# Altium PCB VM3300_V0.5_潘工改.PcbDoc (part 2 of 2)
Units mil, origin at the board's own origin, x right, y up, seen from the top; angles counter-clockwise.
Board outline 5128.14 x 5521.84 mil, 2 copper layers (Top Layer, Bottom Layer), stack 61.855 mil thick; 145 components, 95 nets, 448 pads, 243 vias.
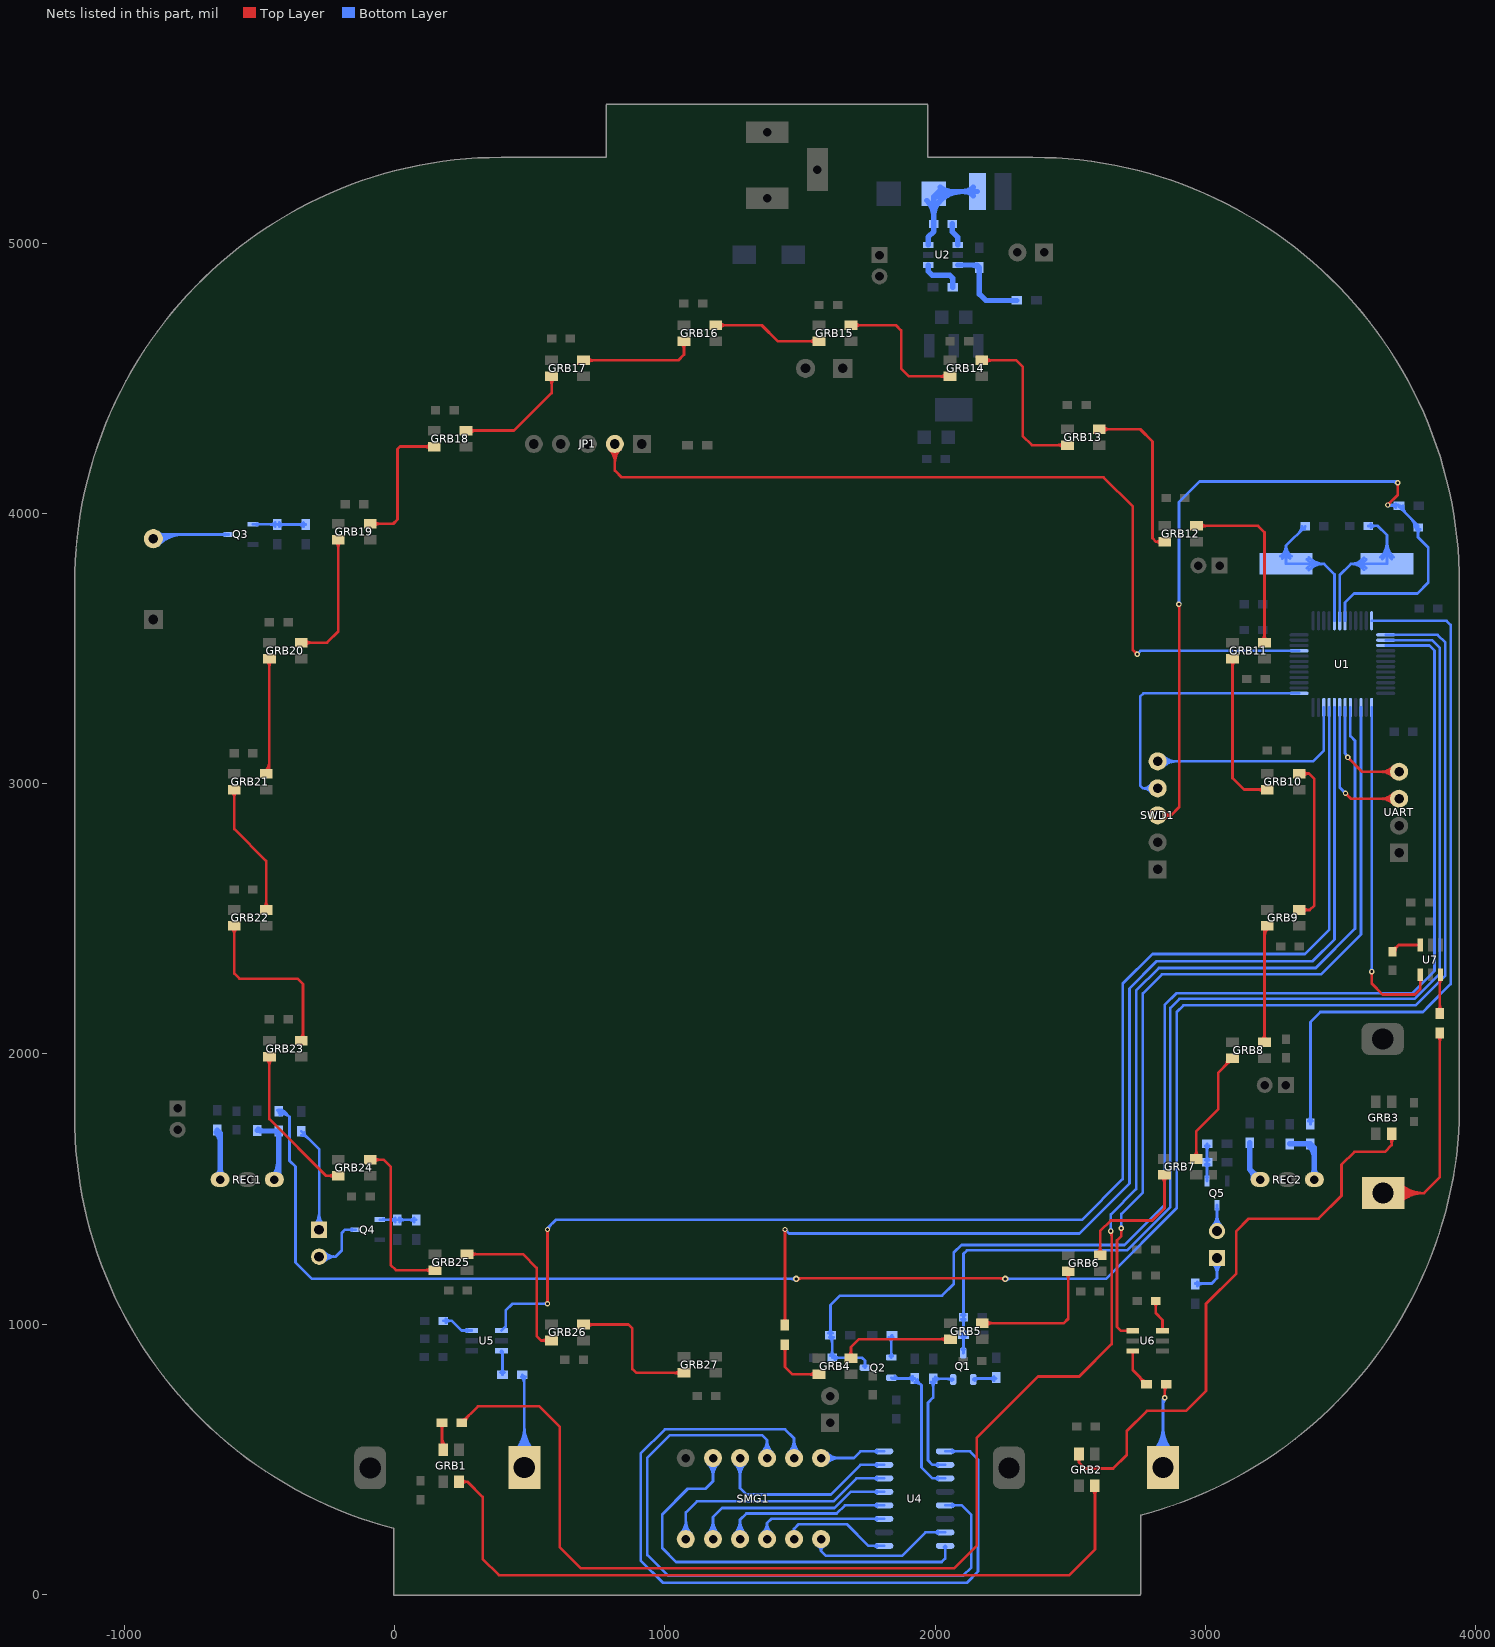
[diagram p2: the nets of this part, all layers, seen from the top]

## Via types
v1: diameter 24, hole 12, Top Layer to Bottom Layer, 169 vias
v2: diameter 20, hole 10, Top Layer to Bottom Layer, 41 vias
v3: diameter 24, hole 12, Top Layer to Bottom Layer, tented both sides, 33 vias

## Nets (pads, with @x,y where several pads share a name; then routed paths per layer and width w, separated by ;. In a path a pad name is that pad's centre, name@x,y a point inside that pad or via, vN(x,y) a via of type N, cw(c..) or ccw(c..) an arc to the next point about the centre after c; other vN are vias at no path point) (continued)
GRID2: SMG1.9 U4.5 | length 2656.4
  Bottom Layer w10: SMG1.9@1358.18,524.13 ccw(c1313.23,570.69) 1377.95,570.69 ; SMG1.9@1365.13,516.93 ccw(c1335.97,547.14) 1377.95,547.14 ccw(c1419.94,547.14) SMG1.9@1390.78,516.93 ; SMG1.9@1377.95,503.65 1377.95,570.69 ; SMG1.9@1397.72,524.13 cw(c1442.68,570.69) 1377.95,570.69 ; U4.5@2037.53,328.65 2099.44,328.65 2134.44,293.65 2134.44,98.65 2104.44,68.65 1011.35,68.65 935,145 935,505.34 1018.31,588.65 1360,588.65 1377.95,570.69 ; U4.5@2065.11,324.39 cw(c2075.4,314.11) 2075.4,328.65 cw(c2075.4,343.19) U4.5@2065.11,332.91
GRID3: SMG1.8 U4.1 | length 3138.4
  Bottom Layer w10: SMG1.8@1457.83,523.78 ccw(c1409.23,572.37) 1477.95,572.37 ccw(c1546.67,572.37) SMG1.8@1498.08,523.78 ; SMG1.8@1464.9,516.7 ccw(c1433.38,548.22) 1477.95,548.22 ccw(c1522.53,548.22) SMG1.8@1491.01,516.7 ; SMG1.8@1477.95,503.65 1477.95,577.05 1445,610 1000,610 910,520 910,125 992.92,42.08 2117.87,42.08 2159.44,83.65 2159.44,498.65 2129.44,528.65 U4.1@2037.53,528.65 ; U4.1@2065.11,524.39 cw(c2075.4,514.11) 2075.4,528.65 cw(c2075.4,543.19) U4.1@2065.11,532.91
GRID4: SMG1.6 U4.7 | length 614.1
  Bottom Layer w10: SMG1.6@1566.48,177.6 cw(c1558.72,160) 1577.95,160 ; SMG1.6@1577.95,203.65 1577.95,160 ; SMG1.6@1589.43,177.6 ccw(c1597.18,160) 1577.95,160 ; U4.7@2009.94,224.39 ccw(c1999.66,214.11) 1999.66,228.65 ccw(c1999.66,243.19) U4.7@2009.94,232.91 ; U4.7@2037.53,228.65 1964.44,228.65 1877.53,141.74 1596.21,141.74 1577.95,160
IR1: R15.2 U1.13 | length 7458.2
  Top Layer w10: v3(1485.88,1167.2) 1488.67,1170 2257.2,1170 v3(2260,1167.2) ; v3@1490.83,1162.26 cw(c1509.53,1143.56) 1509.53,1170 ; 2236.35,1170 cw(c2236.35,1143.56) v3@2255.05,1162.26
  Bottom Layer w10: R15.2@-434.41,1792.02 cw(c-425.66,1772.48) -410.53,1787.62 ; R15.2@-430.33,1782.89 cw(c-419.31,1758.31) -400.26,1777.35 ; R15.2@-429.45,1789 R15.2@-430.63,1787.82 -410.73,1787.82 ; R15.2@-426.24,1773.76 cw(c-412.96,1744.13) -390,1767.09 ; R15.2@-421.64,1781.93 cw(c-410.74,1774.78) -410.74,1787.82 ; R15.2@-421.64,1793.72 ccw(c-410.74,1800.87) -410.74,1787.82 ; v3@1480.93,1162.26 ccw(c1468.98,1150.31) 1468.98,1167.2 ccw(c1468.98,1184.1) v3@1480.93,1172.15 ; v3(1485.88,1167.2) -307.01,1167.2 -368.16,1228.36 -368.16,1582.83 -390,1604.67 -390,1767.09 ; v3(2260,1167.2) 2632.85,1167.2 2895,1429.36 2895,2155.62 2919.38,2180 3779.07,2180 3889.44,2290.36 3889.44,3488.65 3889.44,3523.65 3861.17,3551.92 U1.13@3668.78,3551.92 ; v3@2264.95,1162.26 cw(c2276.9,1150.31) 2276.9,1167.2 cw(c2276.9,1184.1) v3@2264.95,1172.15 ; -410.73,1787.82 -390,1767.09
IR2: R16.2 U1.12 | length 2625.8
  Bottom Layer w10: R16.2@3382.4,1752 ccw(c3364.05,1770.35) 3390,1770.35 ccw(c3415.95,1770.35) R16.2@3397.6,1752 ; R16.2@3390,1740.15 3390,2118.65 3426.97,2155.62 3806.41,2155.62 3831.94,2181.15 3909.44,2258.65 3909.44,3588.65 3894.44,3603.65 3617.05,3603.65 U1.12@3616.7,3604
NetB1_2: B1.2 Q3.3 | length 602.6
  Bottom Layer w10: B1.2@-894.24,3907.83 -878.42,3923.65 Q3.3@-614.85,3923.65 ; B1.2@-893.94,3907.52 cw(c-855.01,3868.59) -855.01,3923.65 ; B1.2@-886.87,3900.45 cw(c-830.86,3844.45) -830.86,3923.65 ; B1.2@-879.79,3893.38 cw(c-806.72,3820.31) -806.72,3923.65 ; B1.2@-872.72,3886.31 cw(c-782.58,3796.16) -782.58,3923.65 ; B1.2@-872.72,3929.35 ccw(c-858.96,3943.11) -858.96,3923.65 ; Q3.3@-628.41,3920.92 ccw(c-635,3914.33) -635,3923.65 ccw(c-635,3932.96) Q3.3@-628.41,3926.38
NetC4_1: C4.1 U2.1 | length 85.9
  Bottom Layer w20: C4.1@2064.44,5073.65 2064.44,5043.77 2084.56,5023.65 U2.1@2084.56,4996.04
NetC4_2: C4.2 D3.2 L1.1 U2.6 | length 758.2
  Bottom Layer w20: D3.2@1969.91,5160.06 cw(c1908.27,5098.42) 1995.44,5098.42 ; U2.6@1974.31,4996.04 1974.31,5025 1995.44,5046.12 C4.2@1995.44,5073.65 1995.44,5174.65 2014.44,5193.65 L1.1@2157.19,5193.65 ; 1995.44,5101.25 cw(c2078.6,5101.25) 2019.79,5160.06 cw(c2100.89,5078.96) 2100.89,5193.65 ; D3.2@2005.65,5174.2 cw(c2052.61,5127.24) 2052.61,5193.65 ; D3.2@2019.79,5209.94 ccw(c2059.14,5249.29) 2059.14,5193.65 ; L1.1@2141.99,5178.45 ccw(c2105.3,5141.75) 2105.3,5193.65 ccw(c2105.3,5245.54) L1.1@2141.99,5208.85
NetC45_1: C45.1 U5.6 | length 176.8
  Bottom Layer w10: C45.1@179.23,1011.96 210.71,1011.96 246.62,976.05 U5.6@284.88,976.05 ; C45.1@188.8,1004.89 cw(c205.87,987.82) 205.87,1011.96 cw(c205.87,1036.1) C45.1@188.8,1019.03 ; U5.6@267.68,972.62 ccw(c259.41,964.36) 259.41,976.05 ccw(c259.41,987.74) U5.6@267.68,979.47
NetC46_1: C46.1 U6.6 | length 177.6
  Top Layer w10: C46.1@2810.36,1078.59 cw(c2793.29,1061.52) 2817.43,1061.52 cw(c2841.58,1061.52) C46.1@2824.5,1078.59 ; C46.1@2817.43,1085.66 2817.43,1040.34 2842.55,1015.22 U6.6@2842.55,974.74 ; U6.6@2839.13,978.17 ccw(c2830.86,986.44) 2842.55,986.44 ccw(c2854.24,986.44) U6.6@2845.98,978.17
NetC47_1: C47.1 U7.6 | length 170.9
  Top Layer w10: C47.1@3694.44,2378.65 3694.44,2381.36 3716.84,2403.77 U7.6@3797.03,2403.77 ; C47.1@3694.44,2391.15 ccw(c3694.44,2414.77) 3711.14,2398.07 ; C47.1@3704.44,2381.15 cw(c3729.1,2381.15) 3711.66,2398.59 ; U7.6@3793.61,2400.34 ccw(c3785.34,2392.07) 3785.34,2403.77 ccw(c3785.34,2415.46) U7.6@3793.61,2407.19
NetD1_1: D1.1 R13.2 | length 584
  Bottom Layer w10: R13.2@-346.51,1698.5 cw(c-346.51,1662.29) -320.9,1687.89 ; R13.2@-346.51,1713.5 -280.56,1647.56 D1.1@-280.56,1349.22 ; R13.2@-335.76,1709.25 ccw(c-320.08,1709.25) R13.2@-331.17,1698.16 ; D1.1@-298.24,1366.9 ccw(c-340.92,1409.58) -280.56,1409.58 ccw(c-220.21,1409.58) D1.1@-262.89,1366.9 ; D1.1@-291.17,1359.83 ccw(c-316.78,1385.44) -280.56,1385.44 ccw(c-244.35,1385.44) D1.1@-269.96,1359.83
NetD1_2: D1.2 Q4.3 | length 381.8
  Bottom Layer w10: D1.2@-280.56,1249.22 -219.61,1249.22 -196.71,1272.13 -196.71,1337.52 -185,1349.22 Q4.3@-144.85,1349.22 ; D1.2@-269.96,1238.62 cw(c-244.35,1213.01) -244.35,1249.22 cw(c-244.35,1285.44) D1.2@-269.96,1259.83 ; D1.2@-262.89,1231.55 cw(c-220.21,1188.87) -220.21,1249.22 cw(c-220.21,1309.58) D1.2@-262.89,1266.9 ; Q4.3@-158.41,1346.49 ccw(c-165,1339.91) -165,1349.22 ccw(c-165,1358.54) Q4.3@-158.41,1351.95
NetD2_1: D2.1 R14.2 | length 355.9
  Bottom Layer w10: R14.2@2963.52,1150.15 3024.65,1150.15 3044.44,1169.93 D2.1@3044.44,1244.22 ; R14.2@2971.12,1140.56 cw(c2994.26,1117.41) 2994.26,1150.15 ; R14.2@2971.12,1155.76 ccw(c2984.67,1169.31) 2984.67,1150.15 ; D2.1@3026.76,1226.55 cw(c2984.08,1183.87) 3044.44,1183.87 cw(c3104.79,1183.87) D2.1@3062.11,1226.55 ; D2.1@3033.83,1233.62 cw(c3008.22,1208.01) 3044.44,1208.01 cw(c3080.65,1208.01) D2.1@3055.04,1233.62
NetD2_2: D2.2 Q5.3 | length 262.6
  Bottom Layer w10: D2.2@3026.76,1361.9 ccw(c2984.08,1404.58) 3044.44,1404.58 ccw(c3104.79,1404.58) D2.2@3062.11,1361.9 ; D2.2@3033.83,1354.83 ccw(c3008.22,1380.44) 3044.44,1380.44 ccw(c3080.65,1380.44) D2.2@3055.04,1354.83 ; Q5.3@3041.71,1426.95 cw(c3035.12,1420.36) 3044.44,1420.36 cw(c3053.75,1420.36) Q5.3@3047.16,1426.95 ; D2.2@3044.44,1344.22 Q5.3@3044.44,1440.5
NetGRB1_4: GRB1.4 R28.1 | length 191.6
  Top Layer w10: R28.1@166.9,627.4 cw(c148.55,609.05) 174.5,609.05 cw(c200.45,609.05) R28.1@182.1,627.4 ; GRB1.4@169.5,548.95 ccw(c157.41,561.03) 174.5,561.03 ; 174.5,580.29 ccw(c218.81,580.29) GRB1.4@187.48,548.95 ; R28.1@174.5,635 174.5,538.04 GRB1.4@178.49,534.06
NetGRB4_4: GRB4.4 R29.1 | length 308.8
  Top Layer w10: R29.1@1436.84,911.65 cw(c1418.49,893.3) 1444.44,893.3 cw(c1470.38,893.3) R29.1@1452.04,911.65 ; R29.1@1444.44,923.5 1444.44,841.34 1472.03,813.75 GRB4.4@1570.7,813.75 ; GRB4.4@1555.8,804.75 ccw(c1534.09,783.05) 1534.09,813.75 ccw(c1534.09,844.45) GRB4.4@1555.8,822.74
NetQ1_1: Q1.1 R5.1 | length 149.5
  Bottom Layer w10: Q1.1@2141.84,794.59 2145.62,798.38 R5.1@2225.91,798.38 ; Q1.1@2146.65,789.78 cw(c2167.42,769.01) 2167.42,798.38 ; 2198.81,798.38 cw(c2198.81,770.8) R5.1@2218.31,790.3 ; 2201.11,798.38 ccw(c2201.11,822.69) R5.1@2218.31,805.5
NetQ2_1: Q2.1 R6.1 | length 150.2
  Bottom Layer w10: R6.1@1829.08,951.05 cw(c1806.37,928.34) 1838.49,928.34 ; Q2.1@1833.68,880.87 ccw(c1822.05,892.49) 1838.49,892.49 ccw(c1854.94,892.49) Q2.1@1843.31,880.87 ; Q2.1@1838.49,876.05 1838.49,956.2 R6.1@1840.94,958.65 ; 1838.49,937.06 cw(c1858.27,937.06) R6.1@1844.28,951.05
NetQ3_1: Q3.1 R19.2 R22.2 | length 332.3
  Bottom Layer w10: Q3.1@-525.56,3961.05 -436.46,3961.05 R22.2@-435.56,3960.15 R19.2@-330.56,3960.15 ; Q3.1@-512.01,3958.32 cw(c-505.42,3951.73) -505.42,3961.05 cw(c-505.42,3970.36) Q3.1@-512.01,3963.78 ; -463.69,3961.05 cw(c-463.69,3932.02) R22.2@-443.16,3952.55 ; -459.33,3961.05 ccw(c-459.33,3983.92) R22.2@-443.16,3967.75 ; R22.2@-427.96,3952.55 cw(c-409.62,3934.2) -409.62,3960.15 cw(c-409.62,3986.1) R22.2@-427.96,3967.75 ; R19.2@-338.16,3952.55 ccw(c-356.51,3934.2) -356.51,3960.15 ccw(c-356.51,3986.1) R19.2@-338.16,3967.75
NetQ4_1: Q4.1 R20.2 R23.2 | length 267.4
  Bottom Layer w10: Q4.1@-55.56,1386.62 -54.66,1385.72 R23.2@9.44,1385.72 R20.2@79.44,1385.72 ; Q4.1@-42.01,1389.35 ccw(c-33.25,1398.12) -33.25,1385.72 ; R23.2@1.84,1378.12 ccw(c-16.51,1359.77) -16.51,1385.72 ccw(c-16.51,1411.67) R23.2@1.84,1393.32 ; R23.2@17.04,1378.12 cw(c35.38,1359.77) 35.38,1385.72 cw(c35.38,1411.67) R23.2@17.04,1393.32 ; R20.2@71.84,1378.12 ccw(c53.49,1359.77) 53.49,1385.72 ccw(c53.49,1411.67) R20.2@71.84,1393.32
NetQ5_1: Q5.1 R21.2 R24.2 | length 274.3
  Bottom Layer w10: R24.2@3000.34,1591.05 cw(c2984.17,1574.88) 3007.04,1574.88 ; R24.2@3000.34,1606.25 ccw(c2984.17,1622.42) 3007.04,1622.42 ; R21.2@3000.34,1659.18 cw(c2984.17,1643.01) 3007.04,1643.01 ; Q5.1@3004.31,1543.35 ccw(c2997.72,1549.93) 3007.04,1549.93 ccw(c3016.35,1549.93) Q5.1@3009.76,1543.35 ; Q5.1@3007.04,1529.79 3007.04,1665.88 R21.2@3007.94,1666.78 ; 3007.04,1570.52 cw(c3036.06,1570.52) R24.2@3015.54,1591.05 ; 3007.04,1626.77 ccw(c3036.06,1626.77) R24.2@3015.54,1606.25 ; 3007.04,1638.65 cw(c3036.06,1638.65) R21.2@3015.54,1659.18
NetR2_1: R2.1 R4.2 U2.3 | length 354.3
  Bottom Layer w20: U2.3@2084.56,4921.25 2155.34,4921.25 R4.2@2164.44,4912.15 2164.44,4813.65 2188.07,4790.01 R2.1@2302.94,4790.01 ; 2138.86,4921.25 cw(c2138.86,4890.82) R4.2@2160.37,4912.34
NetR3_2: R3.2 U2.4 | length 158.6
  Bottom Layer w20: U2.4@1974.31,4921.25 1974.31,4898.77 1989.44,4883.65 2054.44,4883.65 2065.94,4872.15 R3.2@2065.94,4838.65
NetR11_1: R11.1 R15.1 REC1.1 | length 463.9
  Bottom Layer w10: R15.1@-438.23,1702.97 cw(c-471.23,1669.98) -424.56,1669.98 ; R15.1@-431.16,1710.04 cw(c-447.09,1694.12) -424.56,1694.12 ; R15.1@-430.63,1714.82 -424.56,1708.76 -424.56,1645
  Bottom Layer w20: R11.1@-510.13,1716.78 -500.56,1716.78 -498.61,1714.82 R15.1@-430.63,1714.82 -430.63,1550.75 REC1.1@-446.38,1535 ; R11.1@-506.06,1720.84 ccw(c-491.54,1735.36) -491.54,1714.82 ; REC1.1@-450.92,1547.42 ccw(c-499.91,1596.4) -430.63,1596.4
NetR12_1: R12.1 R16.1 REC2.1 | length 331.8
  Bottom Layer w20: R12.1@3312.87,1667.03 3312.99,1667.15 R16.1@3390,1667.15 3404.54,1652.61 REC2.1@3404.54,1535 ; R16.1@3385.94,1658.83 cw(c3341.02,1613.92) 3404.54,1613.92 ; REC2.1@3392.12,1547.42 ccw(c3362.15,1577.39) 3404.54,1577.39 ccw(c3446.93,1577.39) REC2.1@3416.95,1547.42
NetR17_1: R17.1 REC1.3 | length 295.1
  Bottom Layer w20: R17.1@-662.25,1710.18 cw(c-698.67,1673.77) -647.17,1673.77 ; REC1.3@-659.58,1547.42 ccw(c-689.56,1577.39) -647.17,1577.39 ccw(c-604.78,1577.39) REC1.3@-634.75,1547.42 ; R17.1@-658.19,1718.5 -647.17,1707.48 REC1.3@-647.17,1535
NetR18_1: R18.1 REC2.3 | length 211.3
  Bottom Layer w20: R18.1@3165,1671.08 3165,1573.75 ; REC2.3@3178.39,1536.63 ccw(c3132.19,1540.93) 3165,1573.75 ; 3179.34,1559.41 ccw(c3195.88,1575.94) REC2.3@3195.88,1552.56 ; REC2.3@3203.75,1535 3165,1573.75
NetR25_1: R25.1 T1.1 | length 889.3
  Bottom Layer w10: T1.1@441.21,526.65 ccw(c348.94,618.93) 479.44,618.93 ccw(c609.94,618.93) T1.1@517.66,526.65 ; T1.1@448.29,519.58 ccw(c373.08,594.79) 479.44,594.79 ccw(c585.8,594.79) T1.1@510.59,519.58 ; T1.1@455.36,512.51 ccw(c397.22,570.65) 479.44,570.65 ccw(c561.65,570.65) T1.1@503.52,512.51 ; R25.1@468.15,805.15 cw(c440.91,777.9) 479.44,777.9 ; R25.1@471.5,812.75 479.44,804.81 T1.1@479.44,468.74 ; 479.44,795.69 cw(c492.8,795.69) R25.1@483.35,805.15
NetR25_2: R25.2 U5.3 | length 148.9
  Bottom Layer w10: R25.2@390.9,820.35 ccw(c372.55,838.69) 398.5,838.69 ccw(c424.45,838.69) R25.2@406.1,820.35 ; U5.3@391.69,897.82 cw(c375.26,881.39) 398.5,881.39 ; U5.3@395.12,901.24 398.5,897.86 R25.2@398.5,812.75
NetR26_1: R26.1 T2.1 | length 900.5
  Top Layer w10: R26.1@2844.65,770.02 cw(c2830.56,755.93) 2850.49,755.93 ; v2@2846.95,730.68 ccw(c2838.41,739.22) 2850.49,739.22 ccw(c2862.56,739.22) v2@2854.02,730.68 ; v2(2850.49,727.15) 2850.49,771.61 R26.1@2856.5,777.62 ; 2850.49,747.42 cw(c2882.45,747.42) R26.1@2859.85,770.02
  Bottom Layer w10: T2.1@2806.21,526.65 ccw(c2713.94,618.93) 2844.44,618.93 ccw(c2974.94,618.93) T2.1@2882.66,526.65 ; T2.1@2813.29,519.58 ccw(c2738.08,594.79) 2844.44,594.79 ccw(c2950.8,594.79) T2.1@2875.59,519.58 ; T2.1@2820.36,512.51 ccw(c2762.22,570.64) 2844.44,570.64 ccw(c2926.65,570.64) T2.1@2868.52,512.51 ; T2.1@2844.44,468.74 2844.44,721.1 v2(2850.49,727.15) ; 2844.44,700.47 cw(c2877.16,700.47) v2@2854.02,723.61
NetR26_2: R26.2 U6.3 | length 202.6
  Top Layer w10: U6.3@2728.89,896.52 cw(c2720.62,888.25) 2732.32,888.25 cw(c2744.01,888.25) U6.3@2735.74,896.52 ; U6.3@2732.32,899.94 2732.32,828.81 R26.2@2783.5,777.62 ; 2757.89,803.23 cw(c2732.29,777.62) R26.2@2768.5,777.62 ; R26.2@2768.16,792.97 ccw(c2779.25,804.05) R26.2@2779.25,788.37
NetR27_1: R27.1 T3.1 | length 1310.3
  Top Layer w10: T3.1@3658.99,1484.79 3810.58,1484.79 3869.44,1543.65 R27.1@3869.44,2077.15 ; T3.1@3702.76,1460.71 cw(c3760.89,1402.58) 3760.89,1484.79 cw(c3760.89,1567.01) T3.1@3702.76,1508.87 ; T3.1@3709.83,1453.64 cw(c3785.03,1378.43) 3785.03,1484.79 cw(c3785.03,1591.15) T3.1@3709.83,1515.94 ; T3.1@3716.9,1446.57 cw(c3809.18,1354.29) 3809.18,1484.79 cw(c3809.18,1615.29) T3.1@3716.9,1523.01 ; R27.1@3861.84,2065.3 cw(c3843.49,2046.95) 3869.44,2046.95 cw(c3895.38,2046.95) R27.1@3877.04,2065.3
NetR27_2: R27.2 U7.3 | length 200.8
  Top Layer w10: R27.2@3861.84,2162 ccw(c3843.49,2180.35) 3869.44,2180.35 ccw(c3895.38,2180.35) R27.2@3877.04,2162 ; R27.2@3869.44,2150.15 3869.44,2291.13 U7.3@3871.84,2293.53 ; 3869.44,2262.26 cw(c3889.33,2262.26) U7.3@3875.26,2276.33
NRST: C9.2 R1.1 SWD1.3 U1.7 | length 3311.1
  Top Layer w10: SWD1.3@2824.44,2883.65 2874.44,2883.65 ; SWD1.3@2848.91,2869.12 cw(c2874.43,2853.97) 2874.43,2883.65 ; SWD1.3@2848.91,2898.18 ccw(c2874.43,2913.33) 2874.43,2883.65 ; v2@2899.68,3661.96 cw(c2888.2,3650.48) 2904.44,3650.48 ; v2(2903.22,3665.5) 2904.44,3664.28 2904.44,2913.65 2874.44,2883.65 ; v2(3676.11,4032.65) 3713.31,4069.84 v2(3713.31,4115) ; v2@3676.11,4037.65 ccw(c3676.11,4049.72) 3684.65,4041.18 ccw(c3693.18,4032.65) v2@3681.11,4032.65 ; v2@3709.77,4111.46 cw(c3701.23,4102.93) 3713.31,4102.93 cw(c3725.38,4102.93) v2@3716.84,4111.46
  Bottom Layer w10: v2@2899.68,3669.03 ccw(c2891.15,3677.57) 2903.22,3677.57 ccw(c2915.29,3677.57) v2@2906.75,3669.03 ; v2(2903.22,3665.5) 2903.22,4043.89 2979.33,4120 3708.31,4120 v2(3713.31,4115) ; U1.7@3518.27,3604 3518.27,3671.61 3551.67,3705 3786.44,3705 3826.44,3745 3826.44,3875.49 3788.69,3913.24 C9.2@3788.69,3950 3788.69,3956.02 3718.19,4026.52 R1.1@3718.19,4030 3715.54,4032.65 v2(3676.11,4032.65) ; v2@3678.61,4028.32 cw(c3687.07,4013.67) 3691.45,4030.01 ; v2@3679.65,4029.11 cw(c3688.18,4020.58) 3688.18,4032.65 cw(c3688.18,4044.72) v2@3679.65,4036.18 ; v2@3681.59,4032.65 cw(c3681.59,3997.66) R1.1@3706.33,4022.4 ; 3689.16,4120 cw(c3689.16,4090.86) v2@3709.77,4111.46 ; 3694.38,4032.65 ccw(c3694.38,4049.56) R1.1@3706.33,4037.6 ; R1.1@3723.19,4030 ccw(c3743.67,4030) R1.1@3729.18,4015.52 ; R1.1@3733.19,4030 ccw(c3777.81,4030) 3746.25,3998.45 ; 3763.09,3981.61 cw(c3731.48,3950) C9.2@3776.19,3950 ; C9.2@3780.16,3964.54 cw(c3765.62,3950) C9.2@3786.19,3950 ; C9.2@3781.61,3942.93 cw(c3764.54,3925.86) 3788.69,3925.86 cw(c3812.83,3925.86) C9.2@3795.76,3942.93
O1: GRB1.2 GRB2.4 | length 3004.1
  Top Layer w10: GRB1.2@237.55,415.94 268.48,415.94 325,359.42 325,130 385,70 2497.19,70 2592.16,164.97 GRB2.4@2592.16,400.94 ; GRB1.2@246.54,406.95 cw(c268.25,385.24) 268.25,415.94 cw(c268.25,446.65) GRB1.2@246.54,424.94 ; GRB2.4@2583.16,386.05 cw(c2561.46,364.34) 2592.16,364.34 cw(c2622.86,364.34) GRB2.4@2601.15,386.05
O2: GRB2.2 GRB3.4 | length 2221.8
  Top Layer w10: GRB2.2@2525.33,503.08 cw(c2513.13,487.27) 2533.1,487.27 ; GRB2.2@2533.1,519.06 2533.1,487.27 ; GRB2.2@2540.86,503.08 ccw(c2553.06,487.27) 2533.1,487.27 ; GRB3.4@3681.96,1689.7 cw(c3660.25,1667.99) 3690.95,1667.99 cw(c3721.65,1667.99) GRB3.4@3699.94,1689.7 ; GRB3.4@3690.95,1704.59 3690.95,1662.21 3666.35,1637.62 3552.62,1637.62 3505,1590 3505,1475 3420,1390 3161.74,1390 3115.62,1343.88 3115.62,1187.28 3003.44,1075.1 3003.44,752.07 2929.87,678.5 2784.86,678.5 2710,603.65 2710,515.58 2659.42,465 2555.37,465 2533.1,487.27
O3: GRB4.2 GRB5.4 | length 518.9
  Top Layer w10: GRB4.2@1679.82,881.8 ccw(c1658.11,903.51) 1688.81,903.51 ccw(c1719.51,903.51) GRB4.2@1697.8,881.8 ; GRB4.2@1688.81,872.81 1688.81,914.87 1718.03,944.09 GRB5.4@2057.15,944.09 ; GRB5.4@2042.25,935.1 ccw(c2020.54,913.39) 2020.54,944.09 ccw(c2020.54,974.79) GRB5.4@2042.25,953.08
O4: GRB5.2 GRB6.4 | length 597.6
  Top Layer w10: GRB5.2@2175.26,1003.15 2476.92,1003.15 2493.28,1019.5 GRB6.4@2493.28,1195.89 ; GRB5.2@2190.15,994.16 cw(c2211.86,972.45) 2211.86,1003.15 cw(c2211.86,1033.85) GRB5.2@2190.15,1012.14 ; GRB6.4@2484.29,1186.9 cw(c2462.58,1165.19) 2493.28,1165.19 cw(c2523.98,1165.19) GRB6.4@2502.27,1186.9
O5: GRB6.2 GRB7.4 | length 581.9
  Top Layer w10: GRB6.2@2602.4,1263.94 ccw(c2580.69,1285.65) 2611.39,1285.65 ccw(c2642.09,1285.65) GRB6.2@2620.38,1263.94 ; GRB6.2@2611.39,1254.95 2611.39,1343.93 2651.11,1383.65 2804.44,1383.65 2849.38,1428.59 GRB7.4@2849.38,1551.99 ; GRB7.4@2840.39,1543 cw(c2818.68,1521.29) 2849.38,1521.29 cw(c2880.08,1521.29) GRB7.4@2858.37,1543
O6: GRB7.2 GRB8.4 | length 542.9
  Top Layer w10: GRB7.2@2958.5,1620.05 ccw(c2936.79,1641.75) 2967.49,1641.75 ccw(c2998.19,1641.75) GRB7.2@2976.48,1620.05 ; GRB7.2@2967.49,1611.05 2967.49,1713.96 3048.37,1794.84 3048.37,1930 3101.72,1983.35 GRB8.4@3101.72,1984.12 ; 3069.39,1951.02 ccw(c3036.3,1984.12) GRB8.4@3083.1,1984.12 ; GRB8.4@3085.5,1967.13 cw(c3095.82,1956.81) GRB8.4@3095.82,1971.4 ; GRB8.4@3086.46,1968.09 ccw(c3070.44,1984.12) GRB8.4@3093.1,1984.12
O7: GRB8.2 GRB9.4 | length 549.4
  Top Layer w10: GRB8.2@3210.84,2052.17 ccw(c3189.13,2073.88) 3219.83,2073.88 ccw(c3250.54,2073.88) GRB8.2@3228.83,2052.17 ; GRB9.4@3215.48,2465.13 cw(c3204.98,2454.62) 3219.83,2454.62 ; GRB8.2@3219.83,2043.18 3219.83,2463.57 GRB9.4@3230.38,2474.12 ; 3219.83,2432.21 cw(c3266.38,2432.21) GRB9.4@3233.47,2465.13 ; 3219.83,2456.35 cw(c3242.24,2456.35) GRB9.4@3226.4,2472.2